# Altium PCB [Ref] EEG_Measurement_Bd.PcbDoc (part 1 of 2) (continued)
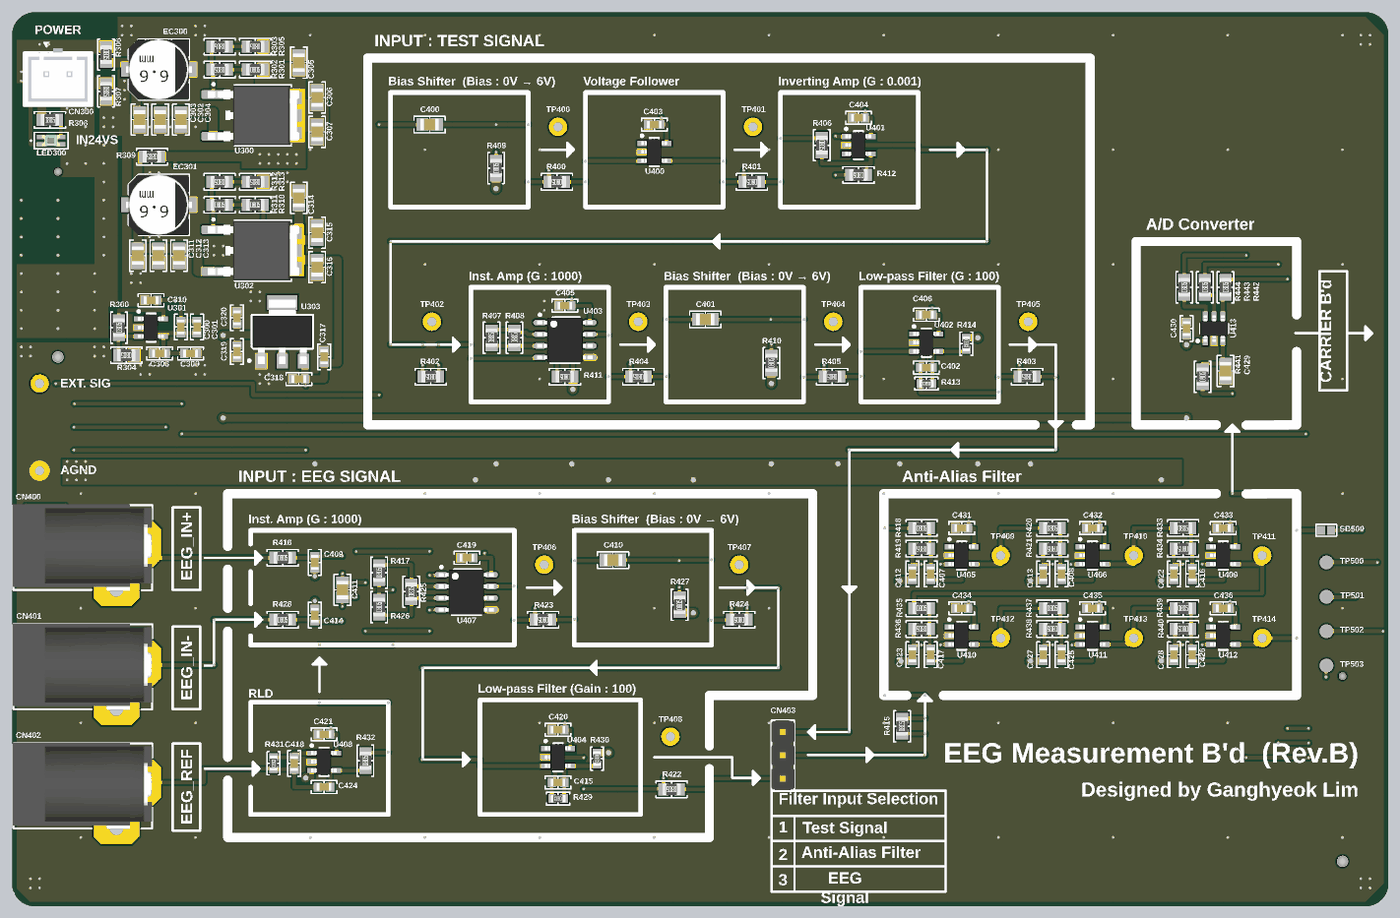
[diagram p5: 3D render of the assembled board from above, using the file's embedded part models]

## Layer stack, top to bottom
Top Mask: solder mask 0.015, Solder Resist, Dk 3.8
L1 (Sig): signal copper 0.035
Dielectric 1: prepreg 0.2, 7628, Dk 4.6
L2 (GND): signal copper 0.0175
Core: core 1.065, FR-4, Dk 4.5
L3 (PWR): signal copper 0.0175
Dielectric 2: prepreg 0.2, 7628, Dk 4.6
L4 (Sig): signal copper 0.035
Bottom Mask: solder mask 0.015, Solder Resist, Dk 3.8

## Board outline
2.5,0 cw(c2.5,2.5) 0,2.5 0,95 cw(c2.5,95) 2.5,97.5 147.5,97.5 cw(c147.5,95) 150,95 150,2.5 cw(c147.5,2.5) 147.5,0

## Design rules (kind name [scope] priority, off if disabled: settings)
BoardOutlineClearance [All] p1: gap=0.2 ignorepadtopadclearanceinfootprint=FALSE except(0.4: Arc-SplitBarrior Arc-SplitContinuation Track-SplitBarrior Track-SplitContinuation SMDPad-SplitBarrior SMDPad-SplitContinuation THPad-SplitBarrior THPad-SplitContinuation Via-SplitBarrior Via-SplitContinuation Fill-SplitBarrior Fill-SplitContinuation Poly-SplitBarrior Poly-SplitContinuation Region-SplitBarrior Region-SplitContinuation Text-SplitBarrior Text-SplitContinuation)
Clearance "Clearance Bottom Layer" [OnLayer('Bottom Layer')] p1: gap=0.203 ignorepadtopadclearanceinfootprint=TRUE except(0.254: Arc-Text Track-Text SMDPad-Text THPad-Text Via-Text Fill-Text Poly-Text Region-Text Text-Text)
Clearance "Clearance Top Layer" [OnLayer('Top Layer')] p2: gap=0.203 ignorepadtopadclearanceinfootprint=TRUE except(0.254: Arc-Text Track-Text SMDPad-Text THPad-Text Via-Text Fill-Text Poly-Text Region-Text Text-Text)
Clearance [All] p3: gap=0.2 ignorepadtopadclearanceinfootprint=FALSE except(0.089: Arc-Arc Arc-Track Arc-SMDPad Track-Track Track-SMDPad SMDPad-SMDPad; 0.127: Arc-Via Track-Via SMDPad-Via THPad-Via Via-Via; 0.254: Arc-Text Track-Text SMDPad-Text THPad-Text Via-Text Fill-Text Poly-Text Region-Text Text-Text)
HoleSize [All] p1: absolutevalues=TRUE maxlimit=6.3 minlimit=0.2 maxpercent=80.000 minpercent=20.000
MinimumAnnularRing [All] p1: minimumring=0.076
MinimumSolderMaskSliver [All] p1: minsoldermaskwidth=0.1
PolygonConnect AN_REF1 [InNet('AN_REF1')] p1: connectstyle=Direct reliefconductorwidth=0.254 reliefentries=4 polygonreliefangle="90 Angle" airgapwidth=0.254
PolygonConnect AP12VS [InNet('AP12VS')] p2: connectstyle=Direct reliefconductorwidth=0.254 reliefentries=4 polygonreliefangle="90 Angle" airgapwidth=0.254
PolygonConnect IN24VS [InNet('IN24VS')] p3: connectstyle=Direct reliefconductorwidth=0.254 reliefentries=4 polygonreliefangle="90 Angle" airgapwidth=0.254
PolygonConnect AGND [InNet('AGND')] p4: connectstyle=Direct reliefconductorwidth=0.254 reliefentries=4 polygonreliefangle="90 Angle" airgapwidth=0.254
PolygonConnect GNDPWR [InNet('GNDPWR')] p5: connectstyle=Direct reliefconductorwidth=0.254 reliefentries=4 polygonreliefangle="90 Angle" airgapwidth=0.254
PolygonConnect PolygonConnect_Basic [All] p6: thpad.connectstyle=Relief thpad.reliefconductorwidth=0.508 thpad.reliefentries=4 thpad.polygonreliefangle="90 Angle" thpad.airgapwidth=0.254 smdpad.connectstyle=Relief smdpad.reliefconductorwidth=0.508 smdpad.reliefentries=4 smdpad.polygonreliefangle="90 Angle" smdpad.airgapwidth=0.254 via.connectstyle=Direct via.reliefconductorwidth=0.508 via.reliefentries=4 via.polygonreliefangle="90 Angle" via.airgapwidth=0.254
RoutingCorners [All] p1: cornerstyle=Round minsetback=2.54 maxsetback=2.54
RoutingVias [All] p1: holewidth=0.3 width=0.45 viastyle="Through Hole" minholewidth=0.15 minwidth=0.3 maxholewidth=1 maxwidth=2
SilkToSilkClearance [All] p1: silktosilkclearance=0.1
SilkToSolderMaskClearance [IsPad] p1: minsilkscreentomaskgap=0.1 clearancetoexposedcopper=TRUE
SolderMaskExpansion [All] p1: expansion=0.102 istentingtop=FALSE
Width [All] p1: maxlimit=2 minlimit=0.1 preferedwidth=0.2
25 further rules are at their usual default settings.

## Components (designator, comment, footprint, x,y, rotation, side; value= is the part's Value field where it differs from the comment)
C300 "10uF/25V/1608" "CAP 1608 (0603_INCH)" 18.4,63.175 r90 top
C301 "100nF/50V/1608" "CAP 1608 (0603_INCH)" 20.15,63.175 r90 top
C302 "10uF/50V/2012" "CAP 2012 (0805_INCH)" 13.9,85.8 r90 top
C303 "2.2uF/50V/2012" "CAP 2012 (0805_INCH)" 16.15,85.8 r90 top
C304 "100nF/50V/2012" "CAP 2012 (0805_INCH)" 18.4,85.8 r90 top
C305 "100nF/50V/2012" "CAP 2012 (0805_INCH)" 31.25,92 r270 top
C306 "2.2uF/50V/2012" "CAP 2012 (0805_INCH)" 33.25,88.2 r270 top
C307 "10uF/50V/2012" "CAP 2012 (0805_INCH)" 33.25,84.45 r90 top
C308 "10uF/25V/1608" "CAP 1608 (0603_INCH)" 16.075,60.3 r0 top
C309 "100nF/50V/1608" "CAP 1608 (0603_INCH)" 19.45,60.3 r180 top
C310 "100nF/50V/1608" "CAP 1608 (0603_INCH)" 15.15,66.1 r0 top
C311 "10uF/50V/2012" "CAP 2012 (0805_INCH)" 13.7,70.95 r90 top
C312 "2.2uF/50V/2012" "CAP 2012 (0805_INCH)" 15.95,70.95 r90 top
C313 "100nF/50V/2012" "CAP 2012 (0805_INCH)" 18.2,70.95 r90 top
C314 "100nF/50V/2012" "CAP 2012 (0805_INCH)" 31.25,77.25 r270 top
C315 "2.2uF/50V/2012" "CAP 2012 (0805_INCH)" 33.25,73.45 r270 top
C316 "10uF/50V/2012" "CAP 2012 (0805_INCH)" 33.25,69.7 r90 top
C317 "10uF/10V/1608" "CAP 1608 (0603_INCH)" 34,59.925 r270 top
C318 "100nF/50V/1608" "CAP 1608 (0603_INCH)" 31.25,57.5 r0 top
C319 "100nF/50V/1608" "CAP 1608 (0603_INCH)" 24.5,60.5 r90 top
C320 "10uF/10V/1608" "CAP 1608 (0603_INCH)" 24.5,64.175 r270 top
C400 "470nF/50V/2012" "CAP 2012 (0805_INCH)" 45.5,85.25 r0 top
C401 "470nF/50V/2012" "CAP 2012 (0805_INCH)" 75.55,64 r0 top
C402 "1nF/50V/1608" "CAP 1608 (0603_INCH)" 99.65,58.75 r0 top
C403 "100nF/50V/1608" "CAP 1608 (0603_INCH)" 70,85.25 r0 top
C404 "100nF/50V/1608" "CAP 1608 (0603_INCH)" 92.25,86 r0 top
C405 "100nF/50V/1608" "CAP 1608 (0603_INCH)" 60.25,65.5 r0 top
C406 "100nF/50V/1608" "CAP 1608 (0603_INCH)" 99.65,64.5 r0 top
C407 "1uF/50V/1608" "CAP 1608 (0603_INCH)" 100.125,36.25 r270 top
C408 "1uF/50V/1608" "CAP 1608 (0603_INCH)" 114.375,36.25 r270 top
C409 "1nF/50V/1608" "CAP 1608 (0603_INCH)" 33,37.5 r90 top
C410 "470nF/50V/2012" "CAP 2012 (0805_INCH)" 65.5,37.75 r0 top
C411 "100nF/50V/2012" "CAP 2012 (0805_INCH)" 36,34.5 r90 top
C412 "1uF/50V/1608" "CAP 1608 (0603_INCH)" 98.125,36.25 r90 top
C413 "1uF/50V/1608" "CAP 1608 (0603_INCH)" 112.375,36.25 r90 top
C414 "1nF/50V/1608" "CAP 1608 (0603_INCH)" 33,31.75 r90 top
C415 "1nF/50V/1608" "CAP 1608 (0603_INCH)" 59.5,13.5 r0 top
C416 "1uF/50V/1608" "CAP 1608 (0603_INCH)" 128.625,36.25 r270 top
C417 "1uF/50V/1608" "CAP 1608 (0603_INCH)" 100.125,27.425 r270 top
C418 "1nF/50V/1608" "CAP 1608 (0603_INCH)" 30.75,15.575 r270 top
C419 "100nF/50V/1608" "CAP 1608 (0603_INCH)" 49.575,38 r0 top
C420 "100nF/50V/1608" "CAP 1608 (0603_INCH)" 59.5,19.25 r0 top
C421 "100nF/50V/1608" "CAP 1608 (0603_INCH)" 34,18.75 r0 top
C422 "1uF/50V/1608" "CAP 1608 (0603_INCH)" 126.625,36.25 r90 top
C423 "1uF/50V/1608" "CAP 1608 (0603_INCH)" 98.125,27.425 r90 top
C424 "1nF/50V/1608" "CAP 1608 (0603_INCH)" 34,13 r180 top
C425 "1uF/50V/1608" "CAP 1608 (0603_INCH)" 114.375,27.425 r270 top
C426 "1uF/50V/1608" "CAP 1608 (0603_INCH)" 128.625,27.425 r270 top
C427 "1uF/50V/1608" "CAP 1608 (0603_INCH)" 112.375,27.425 r90 top
C428 "1uF/50V/1608" "CAP 1608 (0603_INCH)" 126.625,27.425 r90 top
C429 "100nF/50V/2012" "CAP 2012 (0805_INCH)" 132.25,58.375 r90 top
C430 "100nF/50V/1608" "CAP 1608 (0603_INCH)" 128,63 r270 top
C431 "100nF/50V/1608" "CAP 1608 (0603_INCH)" 103.5,41.25 r0 top
C432 "100nF/50V/1608" "CAP 1608 (0603_INCH)" 117.75,41.25 r0 top
C433 "100nF/50V/1608" "CAP 1608 (0603_INCH)" 132,41.25 r0 top
C434 "100nF/50V/1608" "CAP 1608 (0603_INCH)" 103.5,32.5 r0 top
C435 "100nF/50V/1608" "CAP 1608 (0603_INCH)" 117.75,32.5 r0 top
C436 "100nF/50V/1608" "CAP 1608 (0603_INCH)" 132,32.5 r0 top
CN300 "SMW250-02" CON_SMW250-02 5,90.75 r180 top
CN400 "DC_Jack" "CON DC-Jack" 15.262,34.471 r90 top
CN401 "DC_Jack" "CON DC-Jack" 15.262,21.471 r90 top
CN402 "DC_Jack" "CON DC-Jack" 15.262,8.471 r90 top
CN403 "PH_3P" "CON PIN_HEADER-3PIN(2.54MM)" 84,19 r270 top
CN500 "10144518-041802LF" CON_BergStak-Lite(0.8mm)_PLUG-40P(10144518-041802LF) 5,70 r270 bottom locked
CN501 "10144518-041802LF" CON_BergStak-Lite(0.8mm)_PLUG-40P(10144518-041802LF) 145,15 r270 bottom
EC300 "100uF/35V/6.3Øx7.7" "CAP ALSMD 6.6MM H7.7MM" 16,91.25 r0 top
EC301 "100uF/35V/6.3Øx7.7" "CAP ALSMD 6.6MM H7.7MM" 16,76.5 r0 top
LED300 "GREEN/2012" "LED MHT170RGBCT (GREEN)" 4.25,83.5 r0 top
R300 "10K/2012" "RES 2012 (0805_inch)" 11.65,63.1 r90 top value=10K
R301 "100R/2012" "RES 2012 (0805_inch)" 26.5,91.25 r0 top value=100R
R302 "150R/2012" "RES 2012 (0805_inch)" 22.625,91.25 r180 top value=150R
R303 "150R/2012" "RES 2012 (0805_inch)" 22.625,93.75 r180 top value=150R
R304 "10K/2012" "RES 2012 (0805_inch)" 12.45,60.1 r180 top value=10K
R305 "2K/2012" "RES 2012 (0805_inch)" 26.5,93.75 r180 top value=2K
R306 "0R/2012" "RES 2012 (0805_inch)" 10.25,92.875 r270 top value=0R
R307 "0R/2012" "RES 2012 (0805_inch)" 10.25,88.875 r270 top value=0R
R308 "4.7K/2012" "RES 2012 (0805_inch)" 4.125,85.75 r0 top value=4.7K
R309 "0R/2012" "RES 2012 (0805_inch)" 15.25,81.75 r180 top value=0R
R310 "220R/2012" "RES 2012 (0805_inch)" 26.5,76.5 r0 top value=220R
R311 "0R/2012" "RES 2012 (0805_inch)" 22.625,76.5 r0 top value=0R
R312 "820R/2012" "RES 2012 (0805_inch)" 22.625,79 r180 top value=820R
R313 "0R/2012" "RES 2012 (0805_inch)" 26.5,79 r180 top value=0R
R400 "0R/2012" "RES 2012 (0805_inch)" 59.375,79 r180 top value=0R
R401 "0R/2012" "RES 2012 (0805_inch)" 80.625,79 r180 top value=0R
R402 "0R/2012" "RES 2012 (0805_inch)" 45.625,57.75 r180 top value=0R
R403 "0R/2012" "RES 2012 (0805_inch)" 110.625,57.75 r180 top value=0R
R404 "0R/2012" "RES 2012 (0805_inch)" 68.25,57.75 r180 top value=0R
R405 "0R/2012" "RES 2012 (0805_inch)" 89.375,57.75 r180 top value=0R
R406 "1M/2012" "RES 2012 (0805_inch)" 88.25,83 r270 top value=1M
R407 "100R/2012" "RES 2012 (0805_inch)" 52.25,62 r90 top value=100R
R408 "100R/2012" "RES 2012 (0805_inch)" 54.75,62 r90 top value=100R
R409 "2M/2012" "RES 2012 (0805_inch)" 52.75,80.5 r90 top value=2M
R410 "2M/2012" "RES 2012 (0805_inch)" 82.75,59.25 r90 top value=2M
R411 "0R/2012" "RES 2012 (0805_inch)" 60.25,57.75 r180 top value=0R
R412 "1K/2012" "RES 2012 (0805_inch)" 92.25,79.75 r180 top value=1K
R413 "3.9M/1608" "RES 1608 (0603_inch)" 99.65,57 r180 top value=3.9M
R414 "39.2K/1608" "RES 1608 (0603_inch)" 104,61.35 r270 top value=39.2K
R415 "0R/2012" "RES 2012 (0805_inch)" 97,19.625 r90 top value=0R
R416 "2.2K/2012" "RES 2012 (0805_inch)" 29.5,38 r0 top value=2.2K
R417 "220R/2012" "RES 2012 (0805_inch)" 40,36.375 r90 top value=220R
R418 "3.9K/2012" "RES 2012 (0805_inch)" 99.125,41.25 r0 top value=3.9K
R419 "3.9K/2012" "RES 2012 (0805_inch)" 99.125,39 r180 top value=3.9K
R420 "3.9K/2012" "RES 2012 (0805_inch)" 113.375,41.25 r0 top value=3.9K
R421 "3.9K/2012" "RES 2012 (0805_inch)" 113.375,39 r180 top value=3.9K
R422 "0R/2012" "RES 2012 (0805_inch)" 71.875,12.75 r180 top value=0R
R423 "0R/2012" "RES 2012 (0805_inch)" 57.875,31.25 r180 top value=0R
R424 "0R/2012" "RES 2012 (0805_inch)" 79.25,31.25 r180 top value=0R
R425 "100R/2012" "RES 2012 (0805_inch)" 43.5,34.3 r90 top value=100R
R426 "220R/2012" "RES 2012 (0805_inch)" 40,32.625 r90 top value=220R
R427 "2M/2012" "RES 2012 (0805_inch)" 72.75,32.875 r90 top value=2M
R428 "2.2K/2012" "RES 2012 (0805_inch)" 29.5,31.25 r0 top value=2.2K
R429 "3.9M/1608" "RES 1608 (0603_inch)" 59.5,11.75 r180 top value=3.9M
R430 "39.2K/1608" "RES 1608 (0603_inch)" 63.75,16.1 r270 top value=39.2K
R431 "200K/1608" "RES 1608 (0603_inch)" 28.5,15.6 r90 top value=200K
R432 "10K/2012" "RES 2012 (0805_inch)" 38.5,15.875 r90 top value=10K
R433 "3.9K/2012" "RES 2012 (0805_inch)" 127.625,41.25 r0 top value=3.9K
R434 "3.9K/2012" "RES 2012 (0805_inch)" 127.625,39 r180 top value=3.9K
R435 "3.9K/2012" "RES 2012 (0805_inch)" 99.125,32.5 r0 top value=3.9K
R436 "3.9K/2012" "RES 2012 (0805_inch)" 99.125,30.25 r180 top value=3.9K
R437 "3.9K/2012" "RES 2012 (0805_inch)" 113.375,32.5 r0 top value=3.9K
R438 "3.9K/2012" "RES 2012 (0805_inch)" 113.375,30.25 r180 top value=3.9K
R439 "3.9K/2012" "RES 2012 (0805_inch)" 127.625,32.5 r0 top value=3.9K
R440 "3.9K/2012" "RES 2012 (0805_inch)" 127.625,30.25 r180 top value=3.9K
R441 "20R/2012" "RES 2012 (0805_inch)" 129.75,57.75 r90 top value=20R
R442 "330R/2012" "RES 2012 (0805_inch)" 132.25,67.5 r90 top value=330R
R443 "100R/2012" "RES 2012 (0805_inch)" 130,67.5 r90 top value=100R
R444 "330R/2012" "RES 2012 (0805_inch)" 127.75,67.5 r90 top value=330R
SB300 "SB" "SB (Solder-Bridge)" 5.25,49.75 r0 bottom
SB301 "SB" "SB (Solder-Bridge)" 5.225,52.25 r0 bottom
SB400 "SB" "SB (Solder-Bridge)" 5.275,54.75 r180 bottom
SB401 "SB" "SB (Solder-Bridge)" 5.25,45.2 r0 bottom
SB500 "SB" "SB (Solder-Bridge)" 143.225,41 r180 top
TP400 "TP_HOLE(1MM)" TP_HOLE(1MM) 59.5,85 r90 top
TP401 "TP_HOLE(1MM)" TP_HOLE(1MM) 80.75,85 r90 top
TP402 "TP_HOLE(1MM)" TP_HOLE(1MM) 45.75,63.75 r90 top
TP403 "TP_HOLE(1MM)" TP_HOLE(1MM) 68.25,63.75 r90 top
TP404 "TP_HOLE(1MM)" TP_HOLE(1MM) 89.5,63.75 r90 top
TP405 "TP_HOLE(1MM)" TP_HOLE(1MM) 110.75,63.75 r90 top
TP406 "TP_HOLE(1MM)" TP_HOLE(1MM) 58,37.25 r90 top
TP407 "TP_HOLE(1MM)" TP_HOLE(1MM) 79.25,37.25 r90 top
TP408 "TP_HOLE(1MM)" TP_HOLE(1MM) 71.75,18.5 r90 top
TP409 "TP_HOLE(1MM)" TP_HOLE(1MM) 107.75,38.25 r90 top
TP410 "TP_HOLE(1MM)" TP_HOLE(1MM) 122.25,38.25 r90 top
TP411 "TP_HOLE(1MM)" TP_HOLE(1MM) 136.25,38.25 r90 top
TP412 "TP_HOLE(1MM)" TP_HOLE(1MM) 107.75,29.25 r90 top
TP413 "TP_HOLE(1MM)" TP_HOLE(1MM) 122.25,29.25 r90 top
TP414 "TP_HOLE(1MM)" TP_HOLE(1MM) 136.25,29.25 r180 top
TP415 "TP_HOLE(1MM)" TP_HOLE(1MM) 3,57 r90 top
TP416 "TP_HOLE(1MM)" TP_HOLE(1MM) 3,47.5 r90 top
TP500 "TP_CIRCLE" "TP Circle" 143.25,37.5 r90 top
TP501 "TP_CIRCLE" "TP Circle" 143.25,33.75 r90 top
TP502 "TP_CIRCLE" "TP Circle" 143.25,30 r90 top
TP503 "TP_CIRCLE" "TP Circle" 143.25,26.25 r90 top
U300 "LM317AG-TN3-R" IC_TO-252-2(DPAK) 26.25,86.25 r270 top
U301 "TLV171IDBVR" "SOT-23-5 (TI DBV PACKAGE)" 15.15,63.1 r0 top
U302 "LM317AG-TN3-R" IC_TO-252-2(DPAK) 26.25,71.5 r270 top
U303 "AMS1117-3.3" "SOT 223-3 (DIODES INCORPORATED)" 29.45,62.65 r90 top
U400 "TLV171IDBVR" "SOT-23-5 (TI DBV PACKAGE)" 70,82.25 r0 top
U401 "TLV171IDBVR" "SOT-23-5 (TI DBV PACKAGE)" 92.25,83 r0 top
U402 "TLV171IDBVR" "SOT-23-5 (TI DBV PACKAGE)" 99.65,61.45 r0 top
U403 "INA826AIDR" "IC_SOIC-8 (4.90x3.90mm)" 60.25,61.75 r0 top
U404 "TLV171IDBVR" "SOT-23-5 (TI DBV PACKAGE)" 59.5,16.25 r0 top
U405 "TLV171IDBVR" "SOT-23-5 (TI DBV PACKAGE)" 103.5,38.25 r0 top
U406 "TLV171IDBVR" "SOT-23-5 (TI DBV PACKAGE)" 117.75,38.25 r0 top
U407 "INA826AIDR" "IC_SOIC-8 (4.90x3.90mm)" 49.5,34.25 r0 top
U408 "TLV171IDBVR" "SOT-23-5 (TI DBV PACKAGE)" 34,15.75 r0 top
U409 "TLV171IDBVR" "SOT-23-5 (TI DBV PACKAGE)" 132,38.25 r0 top
U410 "TLV171IDBVR" "SOT-23-5 (TI DBV PACKAGE)" 103.5,29.5 r0 top
U411 "TLV171IDBVR" "SOT-23-5 (TI DBV PACKAGE)" 117.75,29.5 r0 top
U412 "TLV171IDBVR" "SOT-23-5 (TI DBV PACKAGE)" 132,29.5 r0 top
U413 "BU79100G-LATR" IC_SOT-23-6 131,63 r90 top

## Footprints (in the part's own frame and the unit in brackets; to place one, negate y for a bottom-side part, rotate by r counter-clockwise, add the part's x,y. Pads: shape width x height; smd on the part's side, far side on the other; paste and mask are expansions set on the pad)
"CAP 1608 (0603_INCH)" [mm] "Chip Capacitor, 2-Leads, Body 1.60x0.80mm, IPC Medium Density"
  rect 0.9x1 smd mask+0.04: 1(-0.675,0) 2(0.675,0)
  silkscreen extent -1.4,-0.7 1.4,0.7, body extent -0.8,-0.41 0.8,0.41, height 0.82
"CAP 2012 (0805_INCH)" [mm] "Chip Capacitor, 2-Leads, Body 2.00x1.20mm, IPC Medium Density"
  rect 1.3x1.4 smd mask+0.04: 1(-0.8,0) 2(0.8,0)
  silkscreen extent -1.7,-0.9 1.7,0.9, body extent -1,-0.64 1,0.64, height 1.26
"CAP ALSMD 6.6MM H7.7MM" [mm] "Aluminum Electrolytic Capacitor, Body 6.60x6.60x7.70mm, IPC Low Density"
  rect 3.2x1.6 smd: 1(-2.5,0) 2(2.5,0)
  silkscreen extent -3.3,-3.3 3.3,3.3, body extent -3.6,-3.3 3.6,3.3, height 7.7
"CON DC-Jack" [mm]
  round 0 hole 3: 0(5.029,11.252)
  oct 5x3.5 hole 1.5 square: 1(5.029,0.762) 3(5.029,6.883)
  oct 3.5x5 hole 1.5 square: 2(0.025,3.886)
  silkscreen extent 0,-0.03 9.28,15.12, body extent -0.05,-0.03 9.35,15.17, height 11.02
"CON PIN_HEADER-3PIN(2.54MM)" [mm] "Pin Header 3P 2.54mm"
  round 1.8 hole 1: 1(0,0) 2(2.54,0) 3(5.08,0)
  silkscreen extent -1.27,-1.25 6.35,1.25, body extent -1.27,-1.27 6.35,1.27, height 8.57
CON_BergStak-Lite(0.8mm)_PLUG-40P(10144518-041802LF) [mm]
  rect 0.5x2 smd: 1(-7.6,2.2) 2(-7.6,-2.2) 3(-6.8,2.2) 4(-6.8,-2.2) 5(-6,2.2) 6(-6,-2.2) 7(-5.2,2.2) 8(-5.2,-2.2) 9(-4.4,2.2) 10(-4.4,-2.2) 11(-3.6,2.2) 12(-3.6,-2.2) 13(-2.8,2.2) 14(-2.8,-2.2) 15(-2,2.2) 16(-2,-2.2) 17(-1.2,2.2) 18(-1.2,-2.2) 19(-0.4,2.2) 20(-0.4,-2.2) 21(0.4,2.2) 22(0.4,-2.2) 23(1.2,2.2) 24(1.2,-2.2) 25(2,2.2) 26(2,-2.2) 27(2.8,2.2) 28(2.8,-2.2) 29(3.6,2.2) 30(3.6,-2.2) 31(4.4,2.2) 32(4.4,-2.2) 33(5.2,2.2) 34(5.2,-2.2) 35(6,2.2) 36(6,-2.2) 37(6.8,2.2) 38(6.8,-2.2) 39(7.6,2.2) 40(7.6,-2.2)
  round 0.83 hole 0.83 unplated: ""(-10.1,0)
  round 1.23 hole 1.23 unplated: ""(10.1,0)
  silkscreen extent -10.9,-3 10.9,3.95, body extent -10.9,-3 10.9,3, height 4.65
CON_SMW250-02 [mm] "YEONHO 2.5mm Pitch Vertical Connector 2Pin"
  rect 1.524x1.524 hole 1: 1(1.25,0)
  round 1.524 hole 1: 2(-1.25,0)
  silkscreen extent -3.7,-3.45 3.7,3.45, body extent -3.7,-2.85 3.7,3.45, height 7
"IC_SOIC-8 (4.90x3.90mm)" [mm] "SOIC, 8-Leads, Body 4.90x3.90mm, Pitch 1.27mm, IPC Medium Density"
  oval 1.45x0.6 smd: 1(-2.725,1.905) 2(-2.725,0.635) 3(-2.725,-0.635) 4(-2.725,-1.905) 5(2.725,-1.905) 6(2.725,-0.635) 7(2.725,0.635) 8(2.725,1.905)
  silkscreen extent -2.85,-2.5 1.6,2.88, body extent -3.01,-2.45 3.01,2.45, height 1.5
IC_SOT-23-6 [mm] "SOT23, 6-Leads, Body 2.90x2.80mm, Pitch 0.95mm, IPC Medium Density"
  rect 1x0.55 smd: 1(-1.35,0.95) 2(-1.35,0) 3(-1.35,-0.95) 4(1.35,-0.95) 5(1.35,0) 6(1.35,0.95)
  silkscreen extent -1.47,-1.55 0.5,1.9, body extent -1.44,-1.53 1.44,1.52, height 1.45
IC_TO-252-2(DPAK) [mm]
  rrect25% 0.94x2.52 smd: 1(-2.28,-4.34) 3(2.28,-4.34)
  rect 5.67x6.23 smd paste-4: 2(0,2.48)
  silkscreen extent -3.52,-4.42 3.33,4.2, body extent -3.25,-4.93 3.25,5.05, height 2.36
"LED MHT170RGBCT (GREEN)" [mm] "Colorless transparence -30℃~+85℃ Positive post Common anode RGB 120° 0805  Light Emitting Diodes (LED) ROHS"
  rect 1x0.5 smd mask+0.04: 1(-1.05,0.4) 2(1.05,0.4) 3(1.05,-0.4) 4(-1.05,-0.4)
  silkscreen extent -2.25,-0.9 1.85,0.9, body extent -1,-0.62 1,0.62, height 0.9
"RES 1608 (0603_inch)" [mm] "Chip Resistor, 2-Leads, Body 1.60x0.80mm, IPC Medium Density"
  rect 0.85x0.95 smd: 1(-0.65,0) 2(0.65,0)
  silkscreen extent -1.27,-0.7 1.27,0.7, body extent -0.8,-0.4 0.8,0.4, height 0.45
"RES 2012 (0805_inch)" [mm] "Chip Resistor, 2-Leads, Body 2.00x1.25mm, IPC Medium Density"
  rect 1.15x1.35 smd: 1(-0.875,0) 2(0.875,0)
  silkscreen extent -1.7,-0.9 1.7,0.9, body extent -1,-0.62 1,0.63, height 0.6
"SB (Solder-Bridge)" [mm] "SB (Solder-Bridge)"
  rect 0.85x0.95 smd mask+0.038: 1(-0.525,0) 2(0.525,0)
  silkscreen extent -1.12,-0.65 1.12,0.65
"SOT 223-3 (DIODES INCORPORATED)" [mm] "SOT223, 4-Leads, Body 6.50x7.00mm (avg), Pitch 2.30mm, IPC Medium Density"
  rect 1.6x1.2 smd: 1(-3.2,2.3) 2(-3.2,0) 3(-3.2,-2.3)
  rect 1.6x3.3 smd: 4(3.2,0)
  silkscreen extent -3.27,-3.35 1.85,3.72, body extent -3.52,-3.25 3.5,3.25, height 1.8
"SOT-23-5 (TI DBV PACKAGE)" [mm] "SOT23, 5-Leads, Body 2.90x2.80mm, Pitch 0.95mm, IPC Medium Density"
  rect 1x0.55 smd: 1(-1.35,0.95) 2(-1.35,0) 3(-1.35,-0.95) 4(1.35,-0.95) 5(1.35,0.95)
  silkscreen extent -1.47,-1.55 0.5,1.9, body extent -1.44,-1.43 1.39,1.48, height 1.5
"TP Circle" [mm] "Test Point Circle"
  round 1.5 smd: 1(0,0)
TP_HOLE(1MM) [mm] "TP_HOLE(1MM)"
  round 2 hole 1: 1(0,0)

## Part data
C300 C308: library part CAP_10uF/25V/1608, "Ceramic CAP_10uF/25V/1608", JLCPCB Part Type="Basic Part", LCSC Part #=C96446
C301 C309 C310 C318 C319 C403 C404 C405 C406 C419 C420 C421 C430 C431 C432 C433 C434 C435 C436: library part CAP_100nF/50V/1608, "Ceramic CAP_100nF/50V/1608", JLCPCB Part Type="Basic Part", LCSC Part #=C14663
C302 C307 C311 C316: library part CAP_10uF/50V/2012, "Ceramic CAP_10uF/50V/2012", JLCPCB Part Type="Basic Part", LCSC Part #=C440198
C303 C306 C312 C315: library part CAP_2.2uF/50V/2012, "Ceramic CAP_2.2uF/50V/2012", JLCPCB Part Type="Basic Part", LCSC Part #=C377773
C304 C305 C313 C314 C411 C429: library part CAP_100nF/50V/2012, "Ceramic CAP_100nF/50V/2012", JLCPCB Part Type="Basic Part", LCSC Part #=C49678
C317 C320: library part CAP_10uF/10V/1608, "Ceramic CAP_10uF/10V/1608", JLCPCB Part Type="Basic Part", LCSC Part #=C19702
C400 C401 C410: library part CAP_470nF/50V/2012, "Ceramic CAP_470nF/50V/2012", JLCPCB Part Type="Basic Part", LCSC Part #=C13967
C402 C409 C414 C415 C418 C424: library part CAP_1nF/50V/1608, "Ceramic CAP_1nF/50V/1608", JLCPCB Part Type="Basic Part", LCSC Part #=C1588
C407 C408 C412 C413 C416 C417 C422 C423 C425 C426 C427 C428: library part CAP_1uF/50V/1608, "Ceramic CAP_1uF/50V/1608", JLCPCB Part Type="Basic Part", LCSC Part #=C15849
CN300: library part CON_SMW250-02, "YEONHO 2.5mm Pitch Vertical Connector 2Pin"
CN400 CN401 CN402: library part CON_DC-Jack, ComponentLink1Description="Manufacturer Link", ComponentLink1URL=http://www.cliffuk.co.uk/
CN403: library part CON_PIN_HEADER_SINGLE-3PIN(2.54MM), "CON_PIN_HEADER_SINGLE-3PIN(2.54MM)"
CN500 CN501: library part CON_BergStak-Lite(0.8mm)_PLUG-40P(10144518-041802LF), JLCPCB Part Type="Extended Part", LCSC Part #=C5410298
EC300 EC301: library part "CAP_EC 100uF/35V/6.3Øx7.7", "Eletrolytic CAP_100uF/35V/6.3Øx7.7", JLCPCB Part Type="Extended Part", LCSC Part #=C176666
LED300: library part LED_MHT170RGBCT(GREEN), "Colorless transparence -30℃~+85℃ Positive post Common anode RGB 120° 0805  Light Emitting Diodes (LED) ROHS", JLCPCB Part Type="Extended Part", LCSC Part #=C2962094
R300 R304 R432: library part RES_10K/2012/0.125W, "RES_10K/2012/0.125W", JLCPCB Part Type="Basic Part", LCSC Part #=C17414, Power Rating=0.125W, Precision=1%, Size=2012
R301 R407 R408 R425 R443: library part RES_100R/2012/0.125W, "RES_100R/2012/0.125W", JLCPCB Part Type="Basic Part", LCSC Part #=C17408, Power Rating=0.125W, Precision=1%, Size=2012
R302 R303: library part RES_150R/2012/0.125W, "RES_150R/2012/0.125W", JLCPCB Part Type="Basic Part", LCSC Part #=C17471, Power Rating=0.1W, Precision=1%, Size=1608
R305: library part RES_2K/2012/0.125W, "RES_2K/2012/0.125W", JLCPCB Part Type="Basic Part", LCSC Part #=C17604, Power Rating=0.125W, Precision=1%, Size=2012
R306 R307 R309 R311 R313 R400 R401 R402 R403 R404 R405 R411 R415 R422 R423 R424: library part RES_0R/2012/0.125W, "RES_0R/2012/0.125W", JLCPCB Part Type="Basic Part", LCSC Part #=C17477, Power Rating=0.125W, Precision=1%, Size=2012
R308: library part RES_4.7K/2012/0.125W, "RES_4.7K/2012/0.125W", JLCPCB Part Type="Basic Part", LCSC Part #=C17673, Power Rating=0.125W, Precision=1%, Size=2012
R310 R417 R426: library part RES_220R/2012/0.125W, "RES_220R/2012/0.125W", JLCPCB Part Type="Basic Part", LCSC Part #=C17557, Power Rating=0.125W, Precision=1%, Size=2012
R312: library part RES_820R/2012/0.125W, "RES_820R/2012/0.125W", JLCPCB Part Type="Basic Part", LCSC Part #=C17837, Power Rating=0.125W, Precision=1%, Size=2012
R406: library part RES_1M/2012/0.125W, "RES_1M/2012/0.125W", JLCPCB Part Type="Basic Part", LCSC Part #=C17514, Power Rating=0.125W, Precision=1%, Size=2012
R409 R410 R427: library part RES_2M/2012/0.125W, "RES_2M/2012/0.125W", JLCPCB Part Type="Basic Part", LCSC Part #=C26112, Power Rating=0.125W, Precision=1%, Size=2012
R412: library part RES_1K/2012/0.125W, "RES_1K/2012/0.125W", JLCPCB Part Type="Basic Part", LCSC Part #=C17513, Power Rating=0.125W, Precision=1%, Size=2012
R413 R429: library part RES_3.9M/1608/0.1W, "RES_3.9M/1608/0.1W", JLCPCB Part Type="Extended Part", LCSC Part #=C227875, Power Rating=0.1W, Precision=1%, Size=1608
R414 R430: library part RES_39.2K/1608/0.1W, "RES_39.2K/1608/0.1W", JLCPCB Part Type="Extended Part", LCSC Part #=C137734, Power Rating=0.1W, Precision=1%, Size=1608
R416 R428: library part RES_2.2K/2012/0.125W, "RES_2.2K/2012/0.125W", JLCPCB Part Type="Basic Part", LCSC Part #=C17520, Power Rating=0.125W, Precision=1%, Size=2012
R418 R419 R420 R421 R433 R434 R435 R436 R437 R438 R439 R440: library part RES_3.9K/2012/0.125W, "RES_3.9K/2012/0.125W", JLCPCB Part Type="Basic Part", LCSC Part #=C17614, Power Rating=0.125W, Precision=1%, Size=2012
R431: library part RES_200K/1608/0.1W, "RES_200K/1608/0.1W", JLCPCB Part Type="Basic Part", LCSC Part #=C25811, Power Rating=0.1W, Precision=1%, Size=1608
R441: library part RES_20R/2012/0.125W, "RES_20R/2012/0.125W", JLCPCB Part Type="Basic Part", LCSC Part #=C17544, Power Rating=0.125W, Precision=1%, Size=2012
R442 R444: library part RES_330R/2012/0.125W, "RES_330R/2012/0.125W", JLCPCB Part Type="Basic Part", LCSC Part #=C17630, Power Rating=0.125W, Precision=1%, Size=2012
SB300 SB301 SB400 SB401 SB500: library part SB_Solder-Bridge, "SB_Solder-Bridge"
U300 U302: library part IC_REG_LM317AG-TN3-R, "1.5A 5V@(500mA) Adjustable 1.2V~37V Positive 1 40V TO-252-2(DPAK)  Linear Voltage Regulators (LDO) ROHS", JLCPCB Part Type="Basic Part", LCSC Part #=C75510
U301 U400 U401 U402 U404 U405 U406 U408 U409 U410 U411 U412: library part IC_OPAMP_TLV171IDBVR, "Single, 36-V, 3-MHz, low-power operational amplifier for cost-sensitive applications", JLCPCB Part Type="Extended Part", LCSC Part #=C2864299
U303: library part IC_REG_AMS1117-3.3, "72dB@(120Hz) 1A 1.3V@(800mA) Fixed 3.3V~3.3V Positive 1 SOT-223  Linear Voltage Regulators (LDO) ROHS", JLCPCB Part Type="Basic Part", LCSC Part #=C6186
U403 U407: library part IC_INST-AMP_INA826AIDR, "35nA 40uV 1MHz Single SOIC-8  Instrumentation OpAmps ROHS", JLCPCB Part Type="Extended Part", LCSC Part #=C38433
U413: library part IC_ADC_BU79100G-LATR, "Successive Approximation A/D Converter / 12 bit, 0.5 MSPS to 1 MSPS, 2.7 V to 5.25 V, / 1-channel, SPI Interface", JLCPCB Part Type=None, LCSC Part #=None

## Via types
v1: diameter 0.45, hole 0.3, L1 (Sig) to L4 (Sig), tented both sides, 361 vias
v2: diameter 1, hole 0.6, L1 (Sig) to L4 (Sig), tented both sides, 31 vias
v3: diameter 0.8, hole 0.5, L1 (Sig) to L4 (Sig), tented both sides, 2 vias

## Nets (pads, with @x,y where several pads share a name; then routed paths per layer and width w, separated by ;. In a path a pad name is that pad's centre, name@x,y a point inside that pad or via, vN(x,y) a via of type N, cw(c..) or ccw(c..) an arc to the next point about the centre after c; other vN are vias at no path point)
ADC_IC_CSB: CN501.17 R444.2 | length 72.5
  L1 (Sig) w0.4: R444.2@127.75,68.375 127.75,71 v1(134.5,71) ; v1(134.5,16.2) v1(141.3,16.2)
  L4 (Sig) w0.4: v1(134.5,16.2) v1(134.5,71) ; v1(141.3,16.2) CN501.17@142.8,16.2
ADC_IC_SCLK: CN501.9 R442.2 | length 59.6
  L1 (Sig) w0.4: R442.2@132.25,68.375 132.265,68.39 138.99,68.39 v1(139,68.4) ; v1(139,19.4) v1(141.3,19.4)
  L4 (Sig) w0.4: v1(139,19.4) v1(139,68.4) ; v1(141.3,19.4) CN501.9@142.8,19.4
ADC_IC_SDATA: CN501.13 R443.2 | length 66.6
  L1 (Sig) w0.4: R443.2@130,68.375 130,70 v1(138,70) ; v1(138,17.8) v1(141.3,17.8)
  L4 (Sig) w0.4: v1(138,17.8) v1(138,70) ; v1(141.3,17.8) CN501.13@142.8,17.8
AGND: C302.1 C303.1 C304.1 C305.1 C306.1 C307.1 C308.1 C309.1 C310.1 C311.1 C312.1 C313.1 C314.1 C315.1 C316.1 C317.1 C318.1 C319.1 C320.1 C403.1 C404.1 C405.1 C406.1 C419.1 C420.1 C421.1 C429.1 C430.1 C431.1 C432.1 C433.1 C434.1 C435.1 C436.1 CN501.5 CN501.21 CN501.22 CN501.23 CN501.24 CN501.25 CN501.26 CN501.27 CN501.28 CN501.29 CN501.30 CN501.31 CN501.32 CN501.33 CN501.34 CN501.35 CN501.36 CN501.37 CN501.38 CN501.39 CN501.40 EC300.2 EC301.2 R304.1 R305.1 R307.2 R313.1 SB401.1 TP416.1 U301.2 U303.1 U400.2 U401.2 U402.2 U403.5 U404.2 U405.2 U406.2 U407.5 U408.2 U409.2 U410.2 U411.2 U412.2 U413.2 | length 15.7
  L1 (Sig) w1: R307.2@10.25,88 10.25,85 C302.1@13.9,85 C303.1@16.15,85 C304.1@18.4,85 ; C311.1@13.7,70.15 C312.1@15.95,70.15 C313.1@18.2,70.15
  other v1: 2,2 3,2 147,2 148,2 2,3 3,3 147,3 148,3 7.5,7.5 20,7.5 32.5,7.5 45,7.5 57.5,7.5 70,7.5 82.5,7.5 95,7.5 107.5,7.5 120,7.5 132.5,7.5 145,7.5 7.5,20 20,20 57.5,20 70,20 82.5,20 95,20 107.5,20 120,20 132.5,20 20,32.5 70,32.5 82.5,32.5 120,32.5 145,32.5 7.479,32.506 7.5,45 20,45 45,45 57.5,45 70,45 82.5,45 95,45 107.5,45 120,45 145,45 27,57 28,57 57.5,57.5 95,57.5 120,57.5 132.5,57.5 145,57.5 14,58 15,58 20,58 21,58 27,58 28,58 14,59 15,59 20,59 21,59 1,60 2,60 9,60 10,60 1,61 2,61 9,61 10,61 31,63 32,63 31,64 32,64 58,65 26,66 27,66 58,66 26,67 27,67 13,68 14,68 13,69 14,69 45,70 57.5,70 70,70 82.5,70 95,70 107.5,70 120,70 145,70 22,71 23,71 22,72 23,72 15,73 16,73 15,74 16,74 19,74 19,75 15,79 16,79 29,79 30,79 15,80 16,80 29,80 30,80 32.5,82.5 45,82.5 57.5,82.5 82.5,82.5 107.5,82.5 120,82.5 132.5,82.5 145,82.5 10,85 11,85 15.025,85 17.275,85 20,85 10,86 11,86 12.25,88 12.25,89 12.25,90 147,94 148,94 12,95 13,95 20,95 21,95 32.5,95 45,95 57.5,95 70,95 82.5,95 95,95 107.5,95 120,95 132.5,95 145,95 147,95 148,95 12,96 13,96 20,96 21,96